# Altium PCB nPOC-BB_beta_main-board.PcbDoc (part 1 of 3)
Units mm, origin at the board's own origin, x right, y up, seen from the top; angles counter-clockwise.
Board outline 84.2 x 118.74 mm, 4 copper layers (Top Layer, Layer 2, Layer 3, Bottom Layer), stack 1.528 mm thick; 240 components, 141 nets, 865 pads, 616 vias.
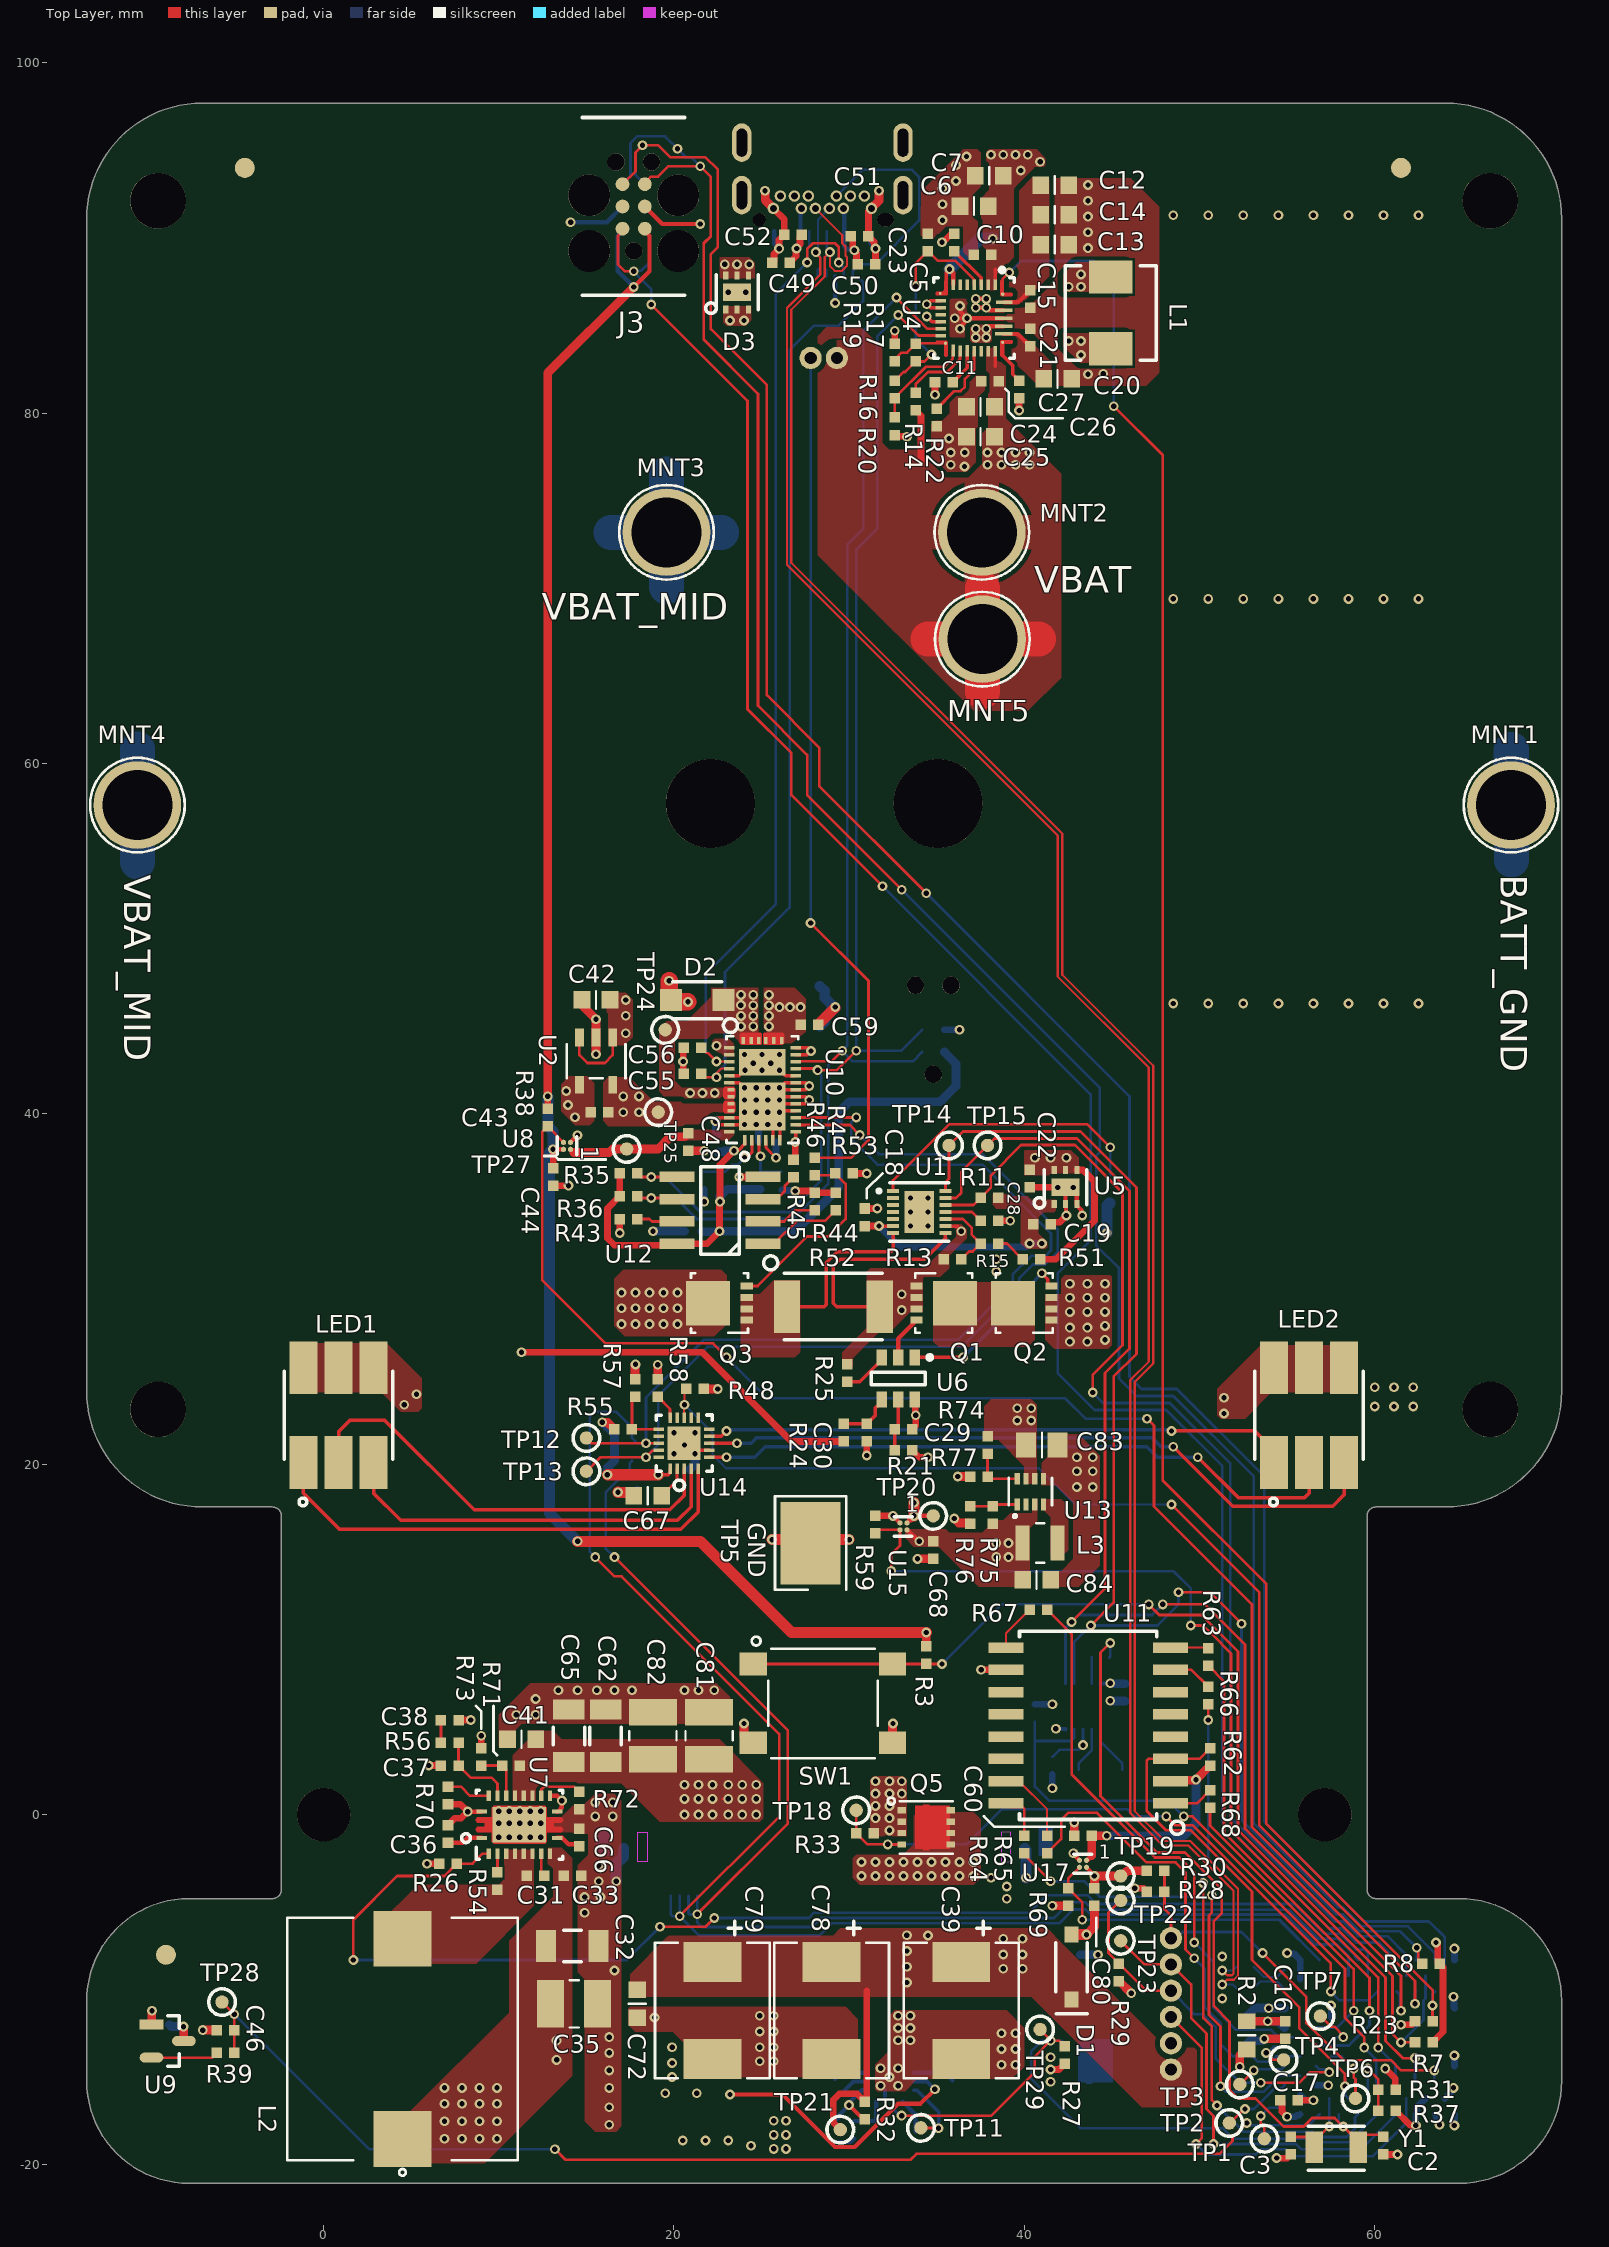
[diagram p0: Top Layer view]
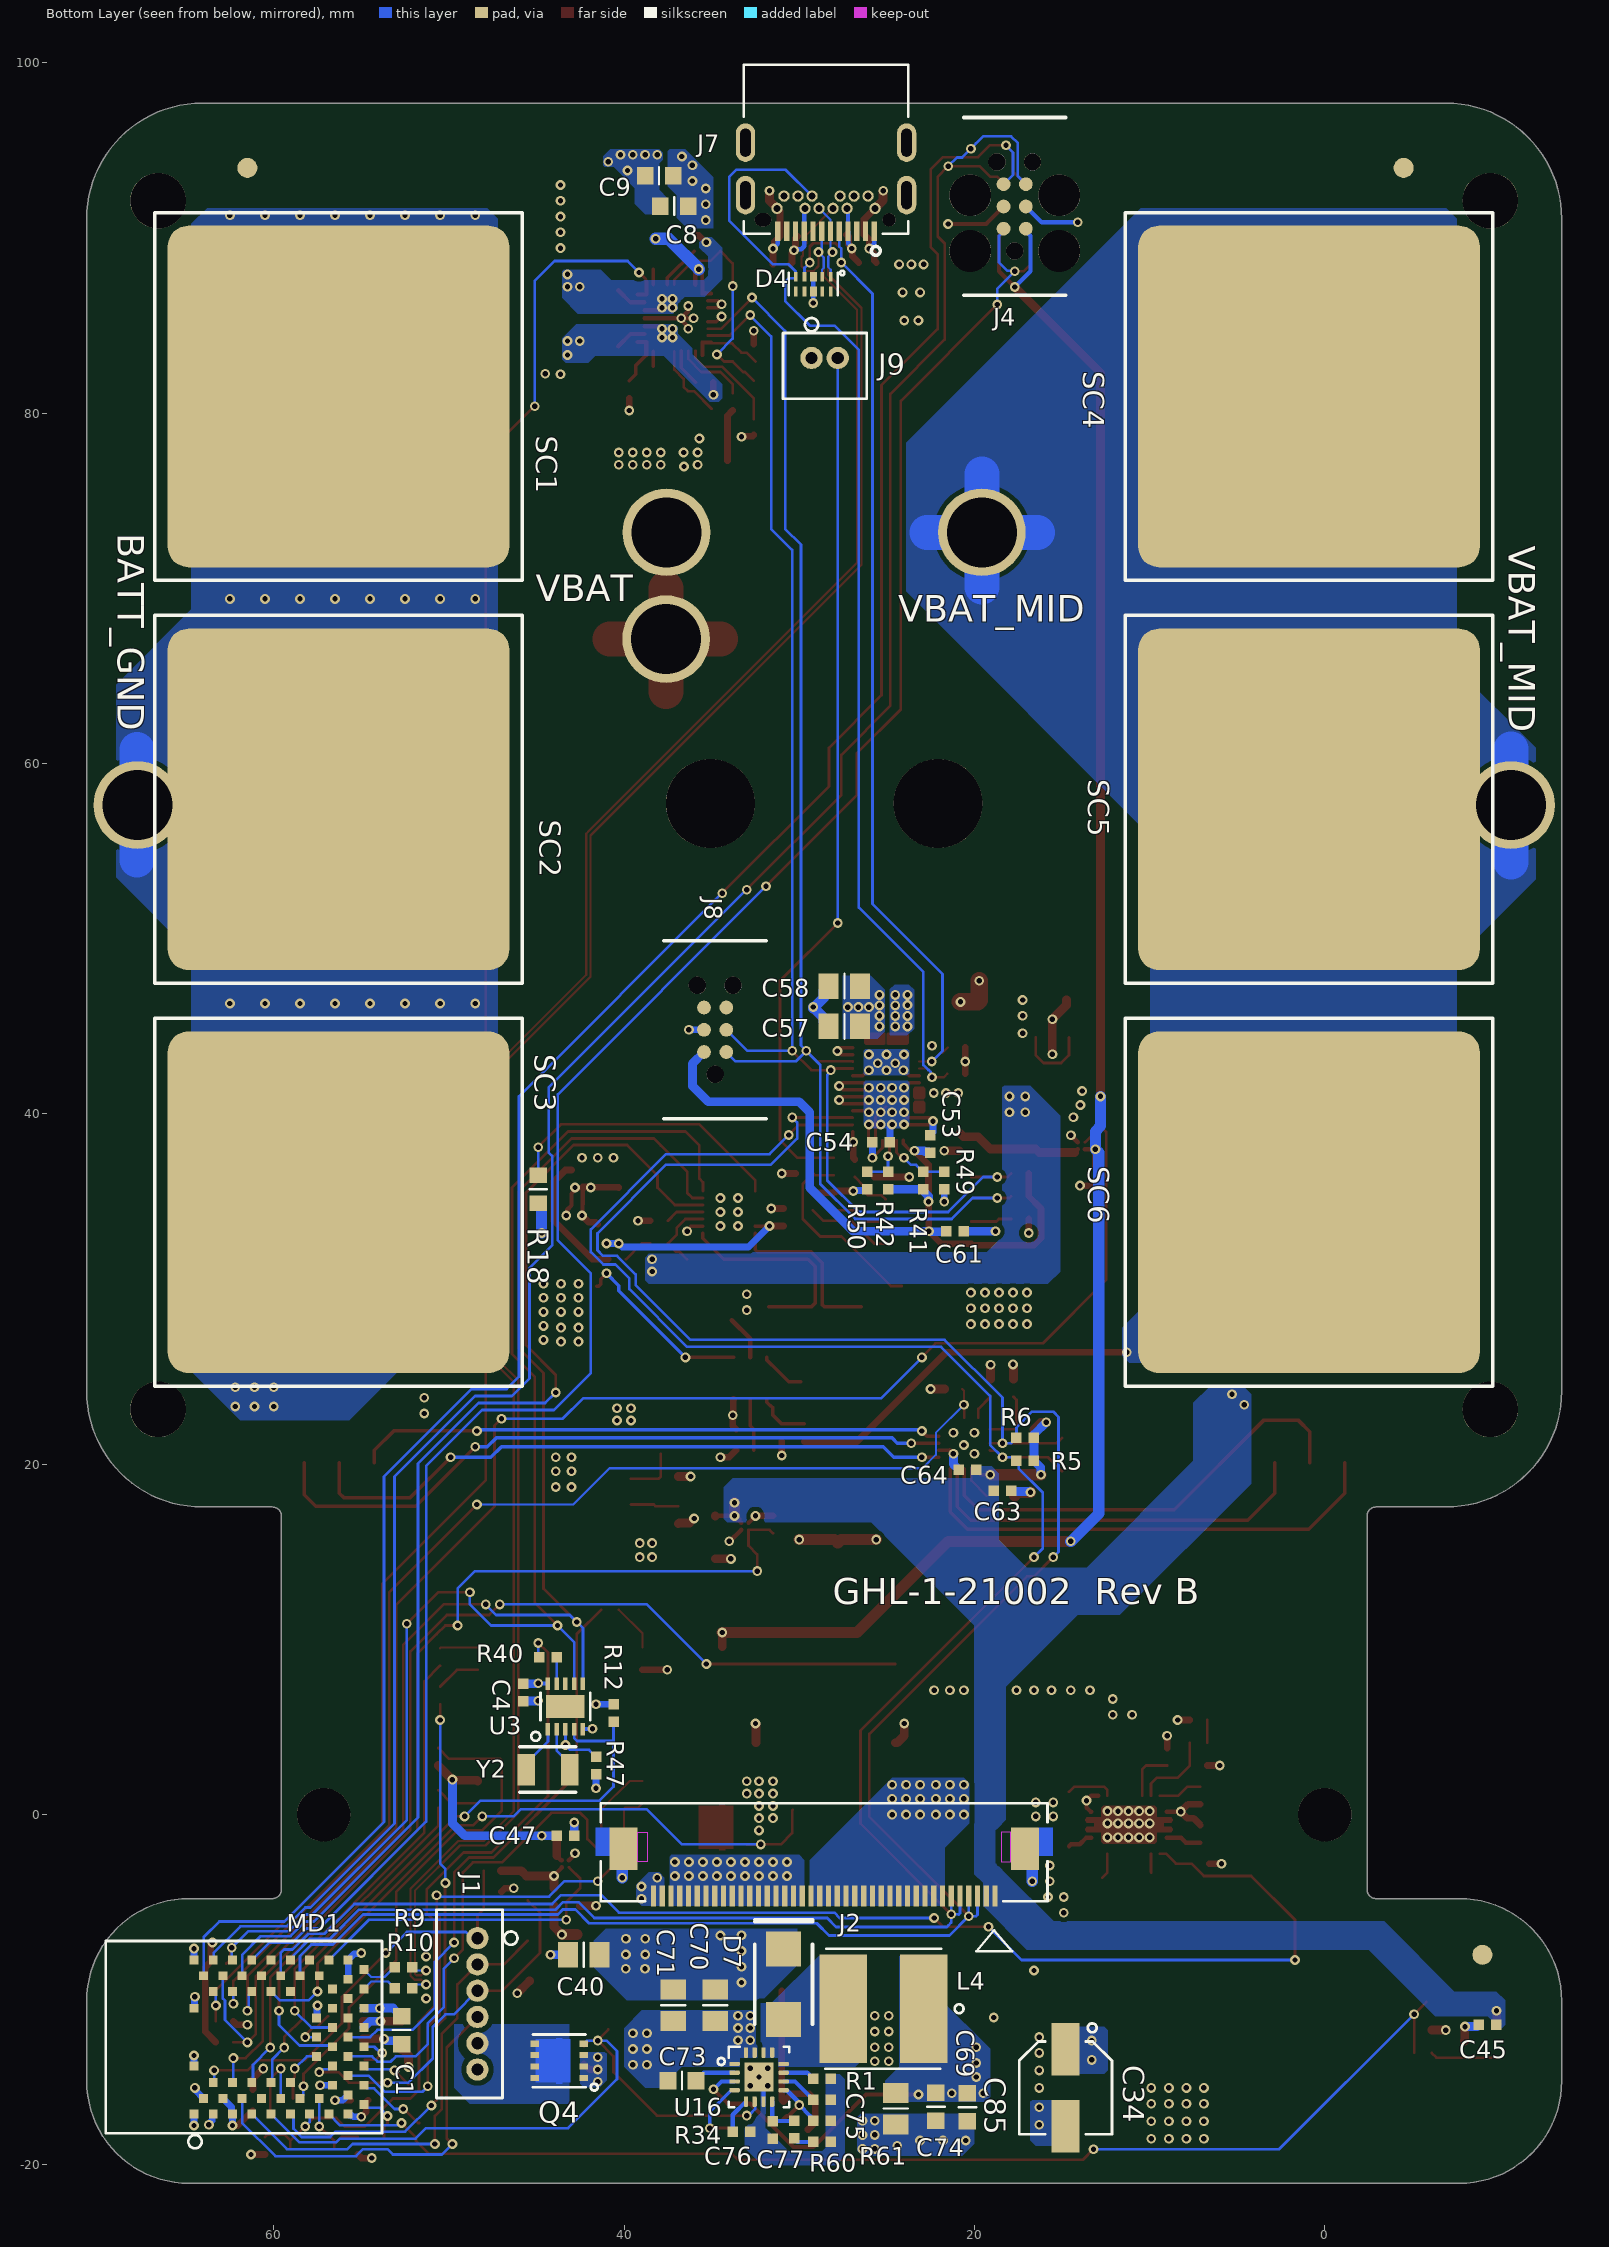
[diagram p1: Bottom Layer view, seen from below]
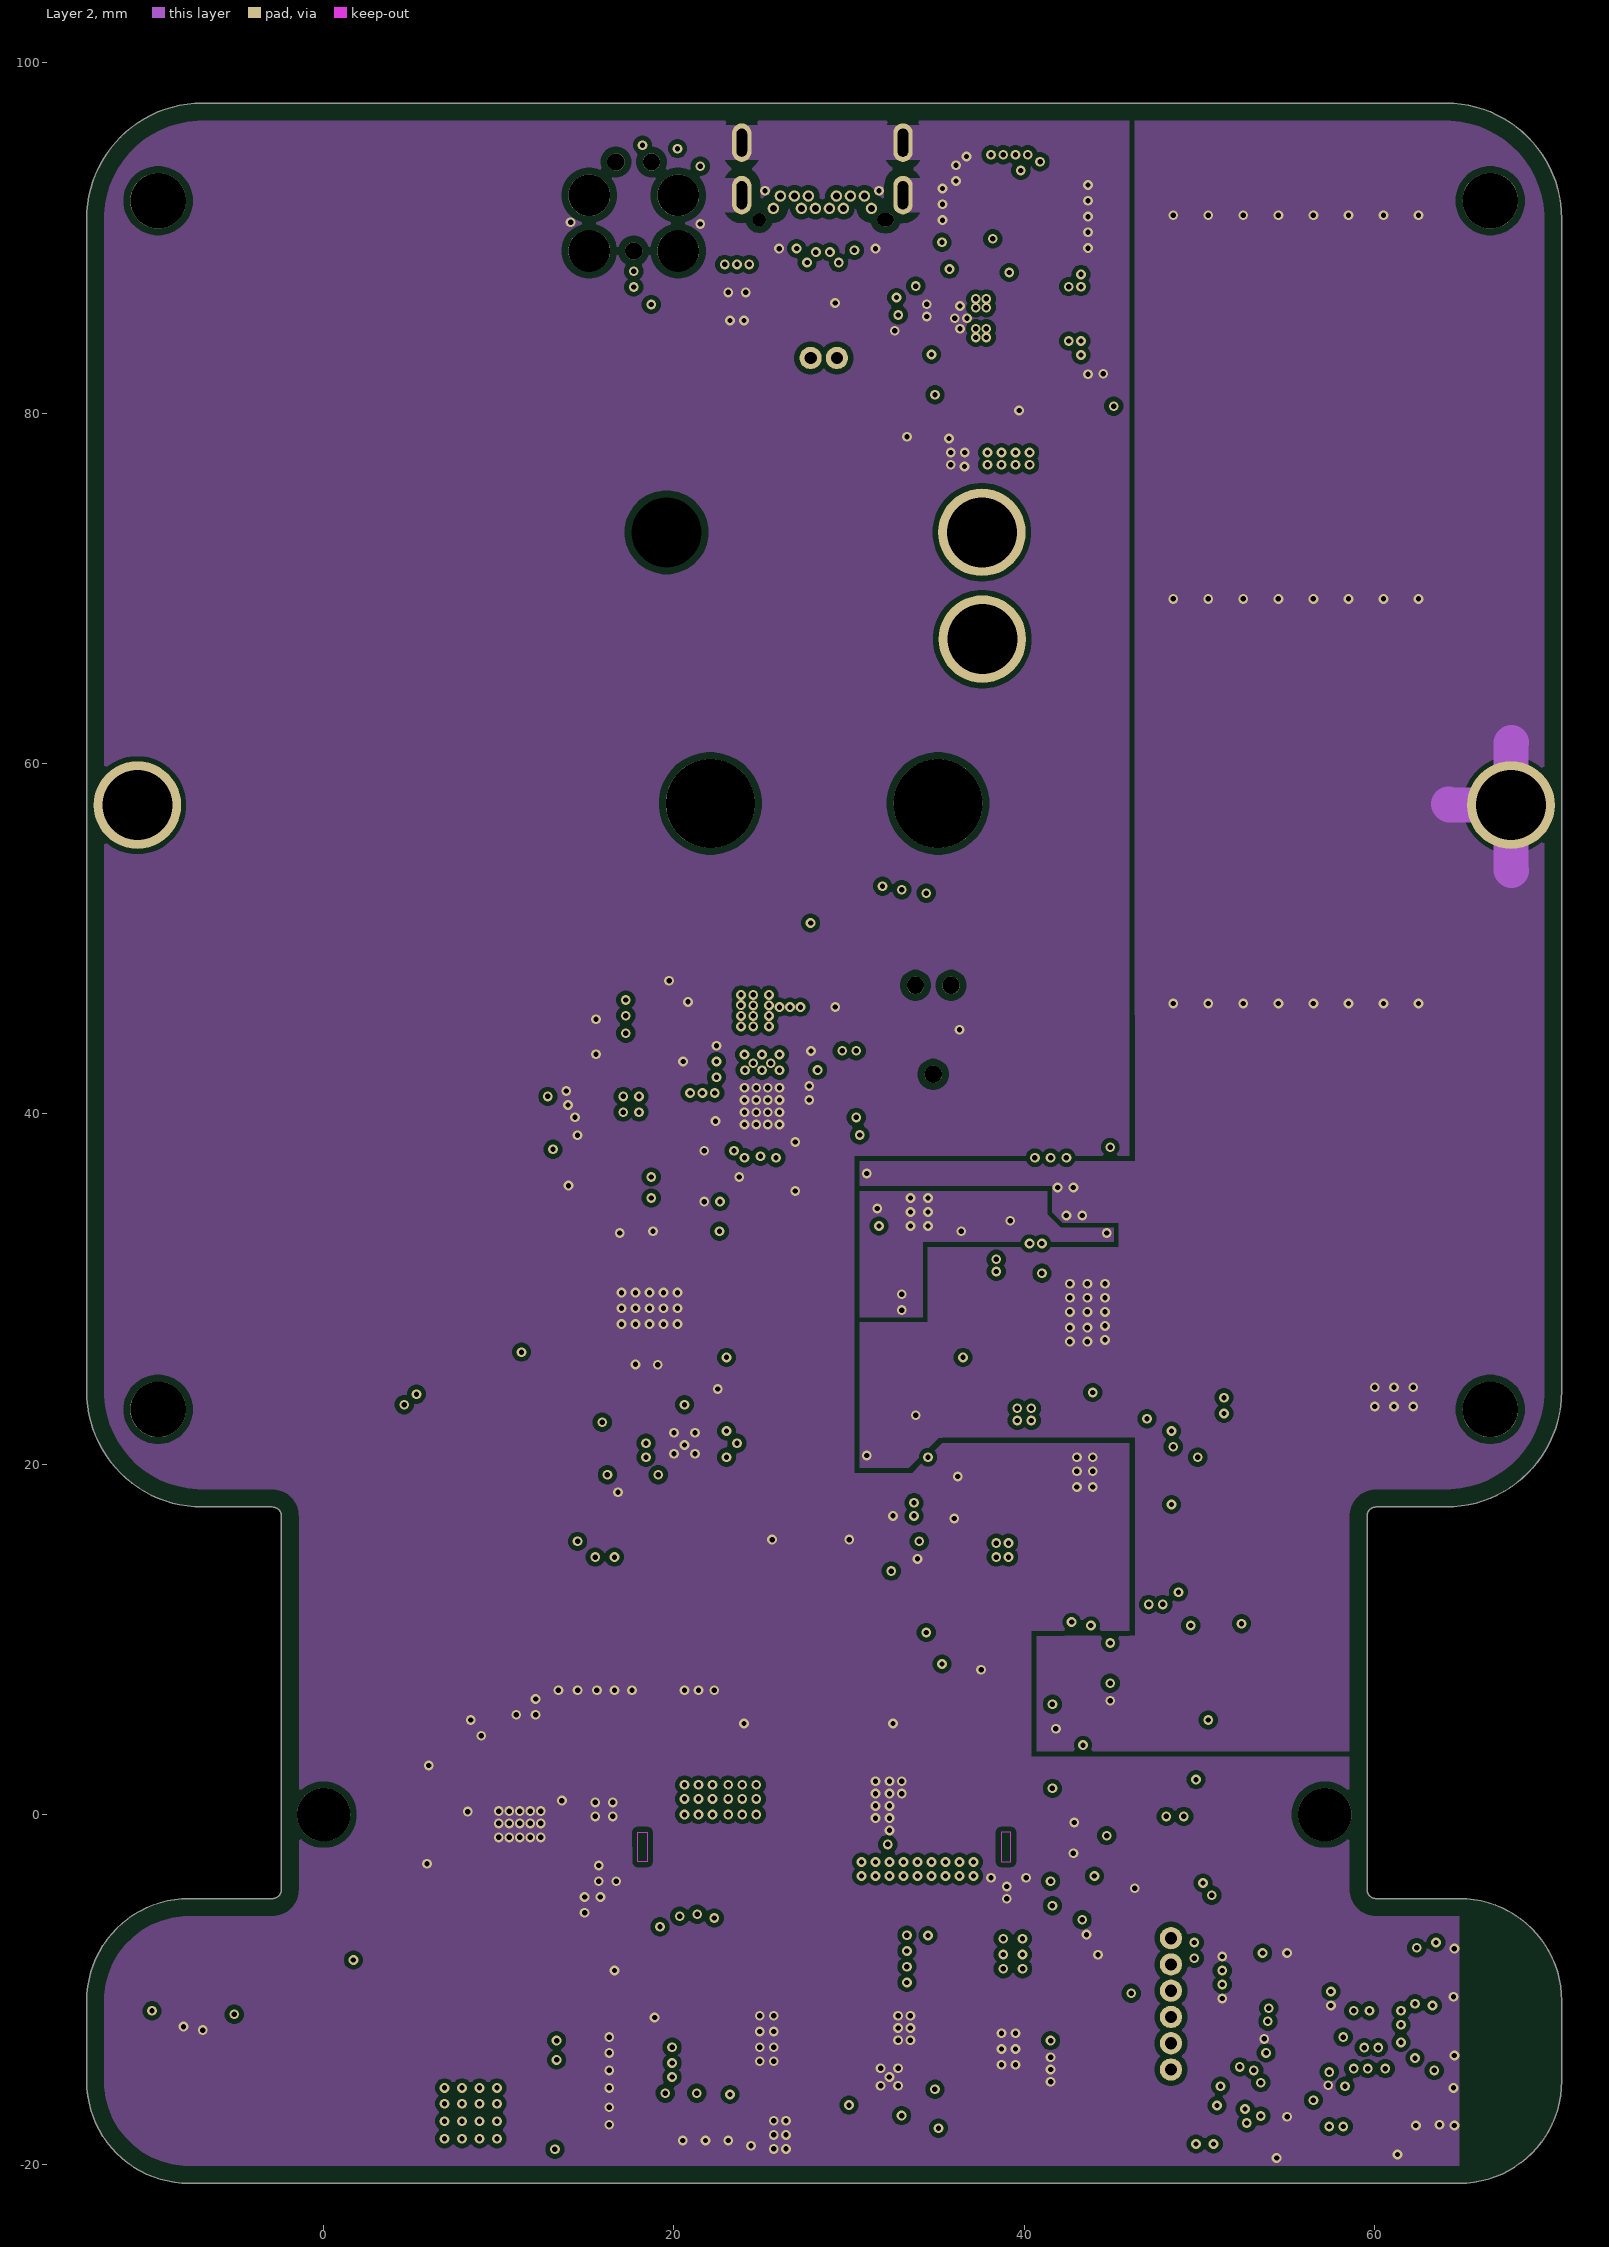
[diagram p2: Layer 2]